# Altium PCB MANOPOLATORE_2040_ZERO.PcbDoc (part 1 of 2)
Units mil, origin at the board's own origin, x right, y up, seen from the top; angles counter-clockwise.
Board outline 5708.66 x 5708.66 mil, 2 copper layers (Top Layer, Bottom Layer), stack 65.792 mil thick; 147 components, 98 nets, 664 pads, 80 vias.
Unrouted connection lines stored in the file: 75.
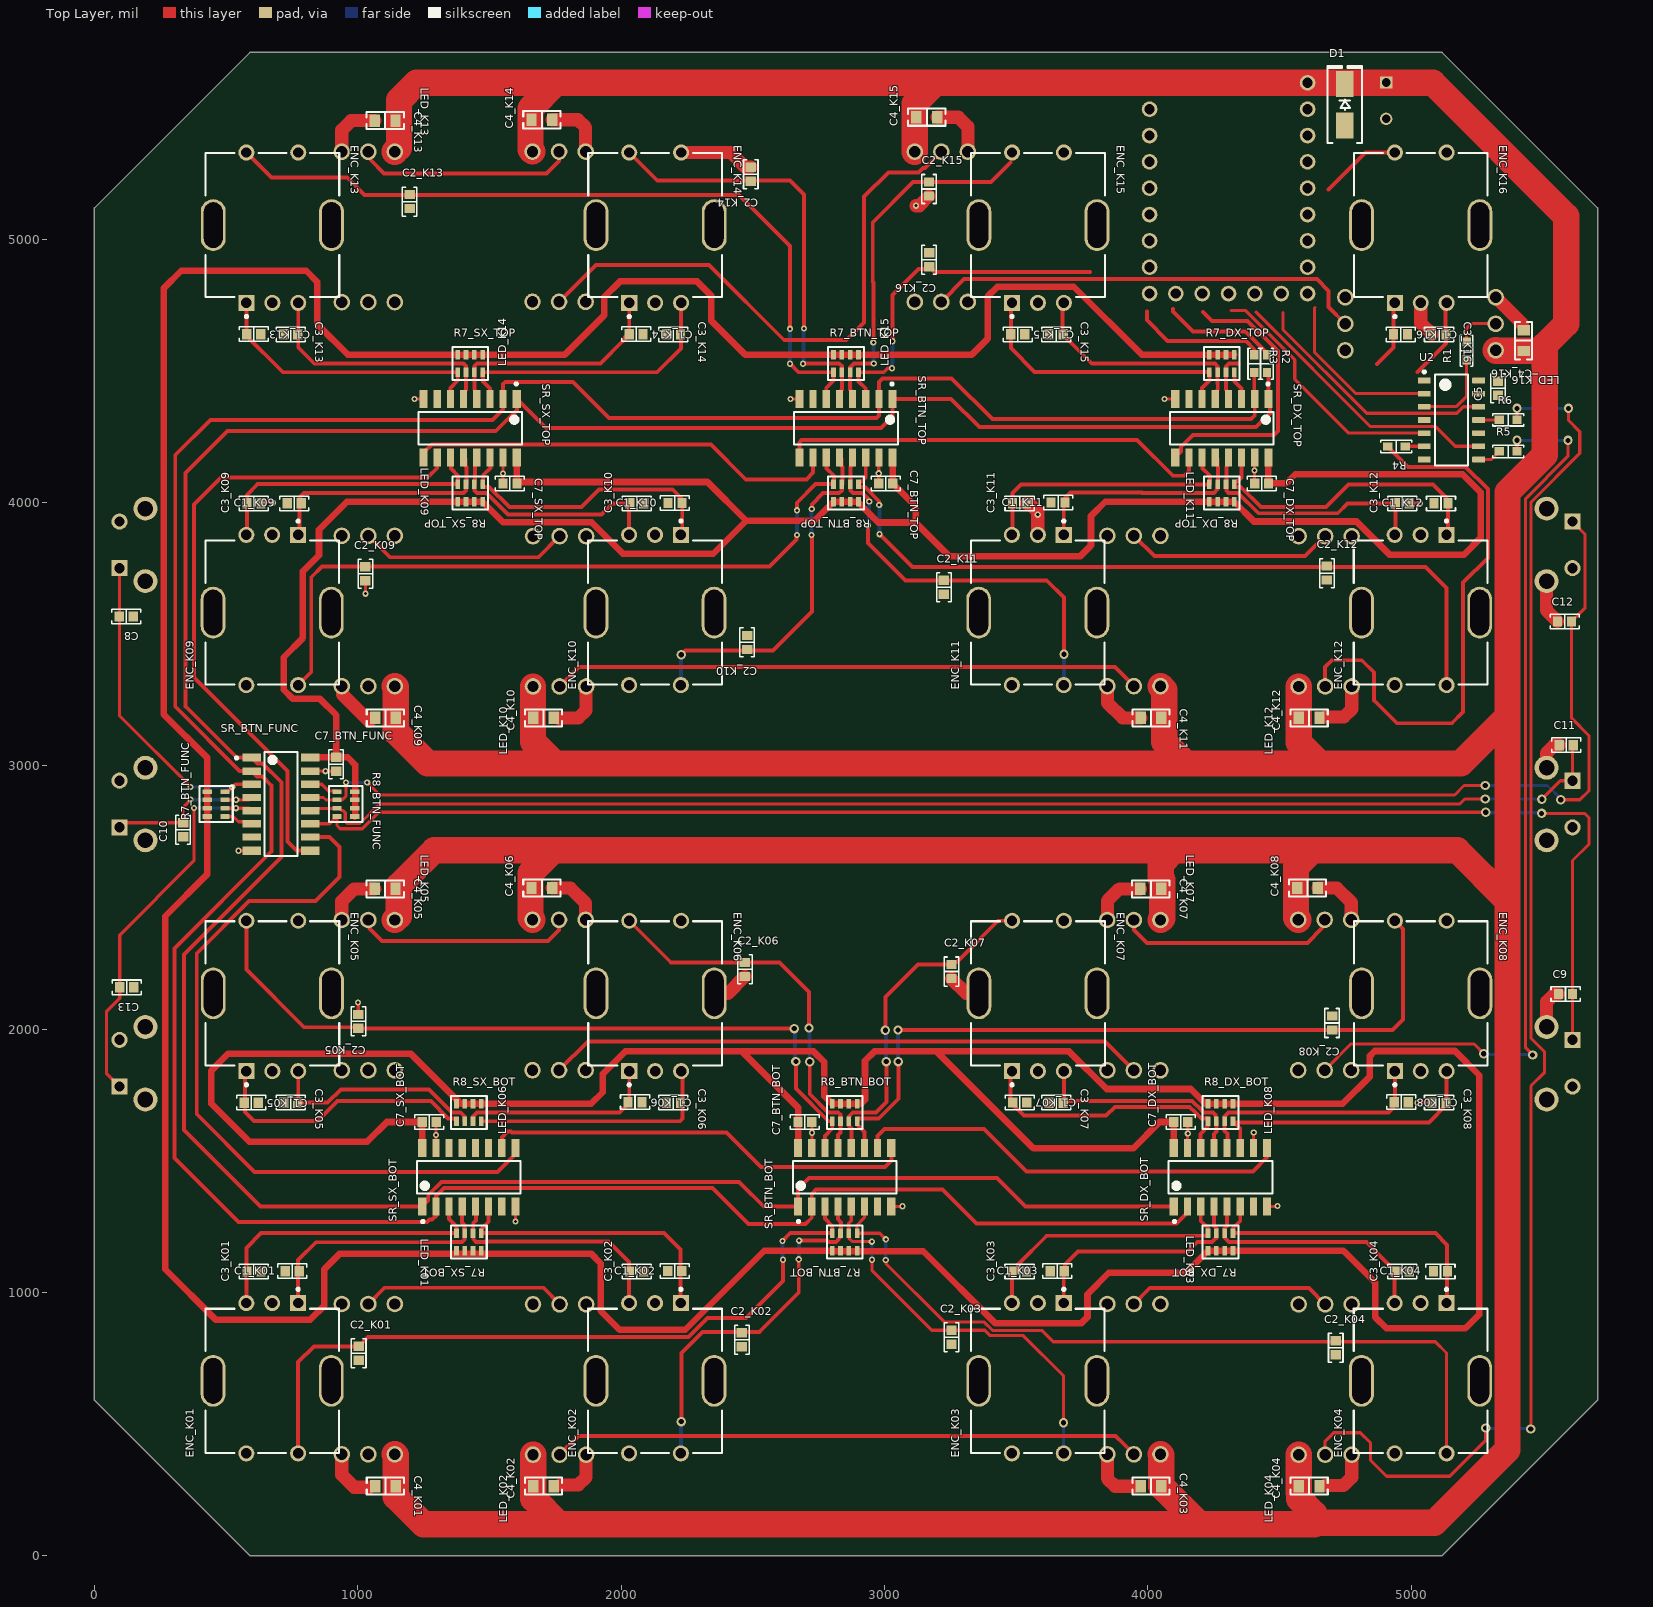
[diagram p0: Top Layer view]
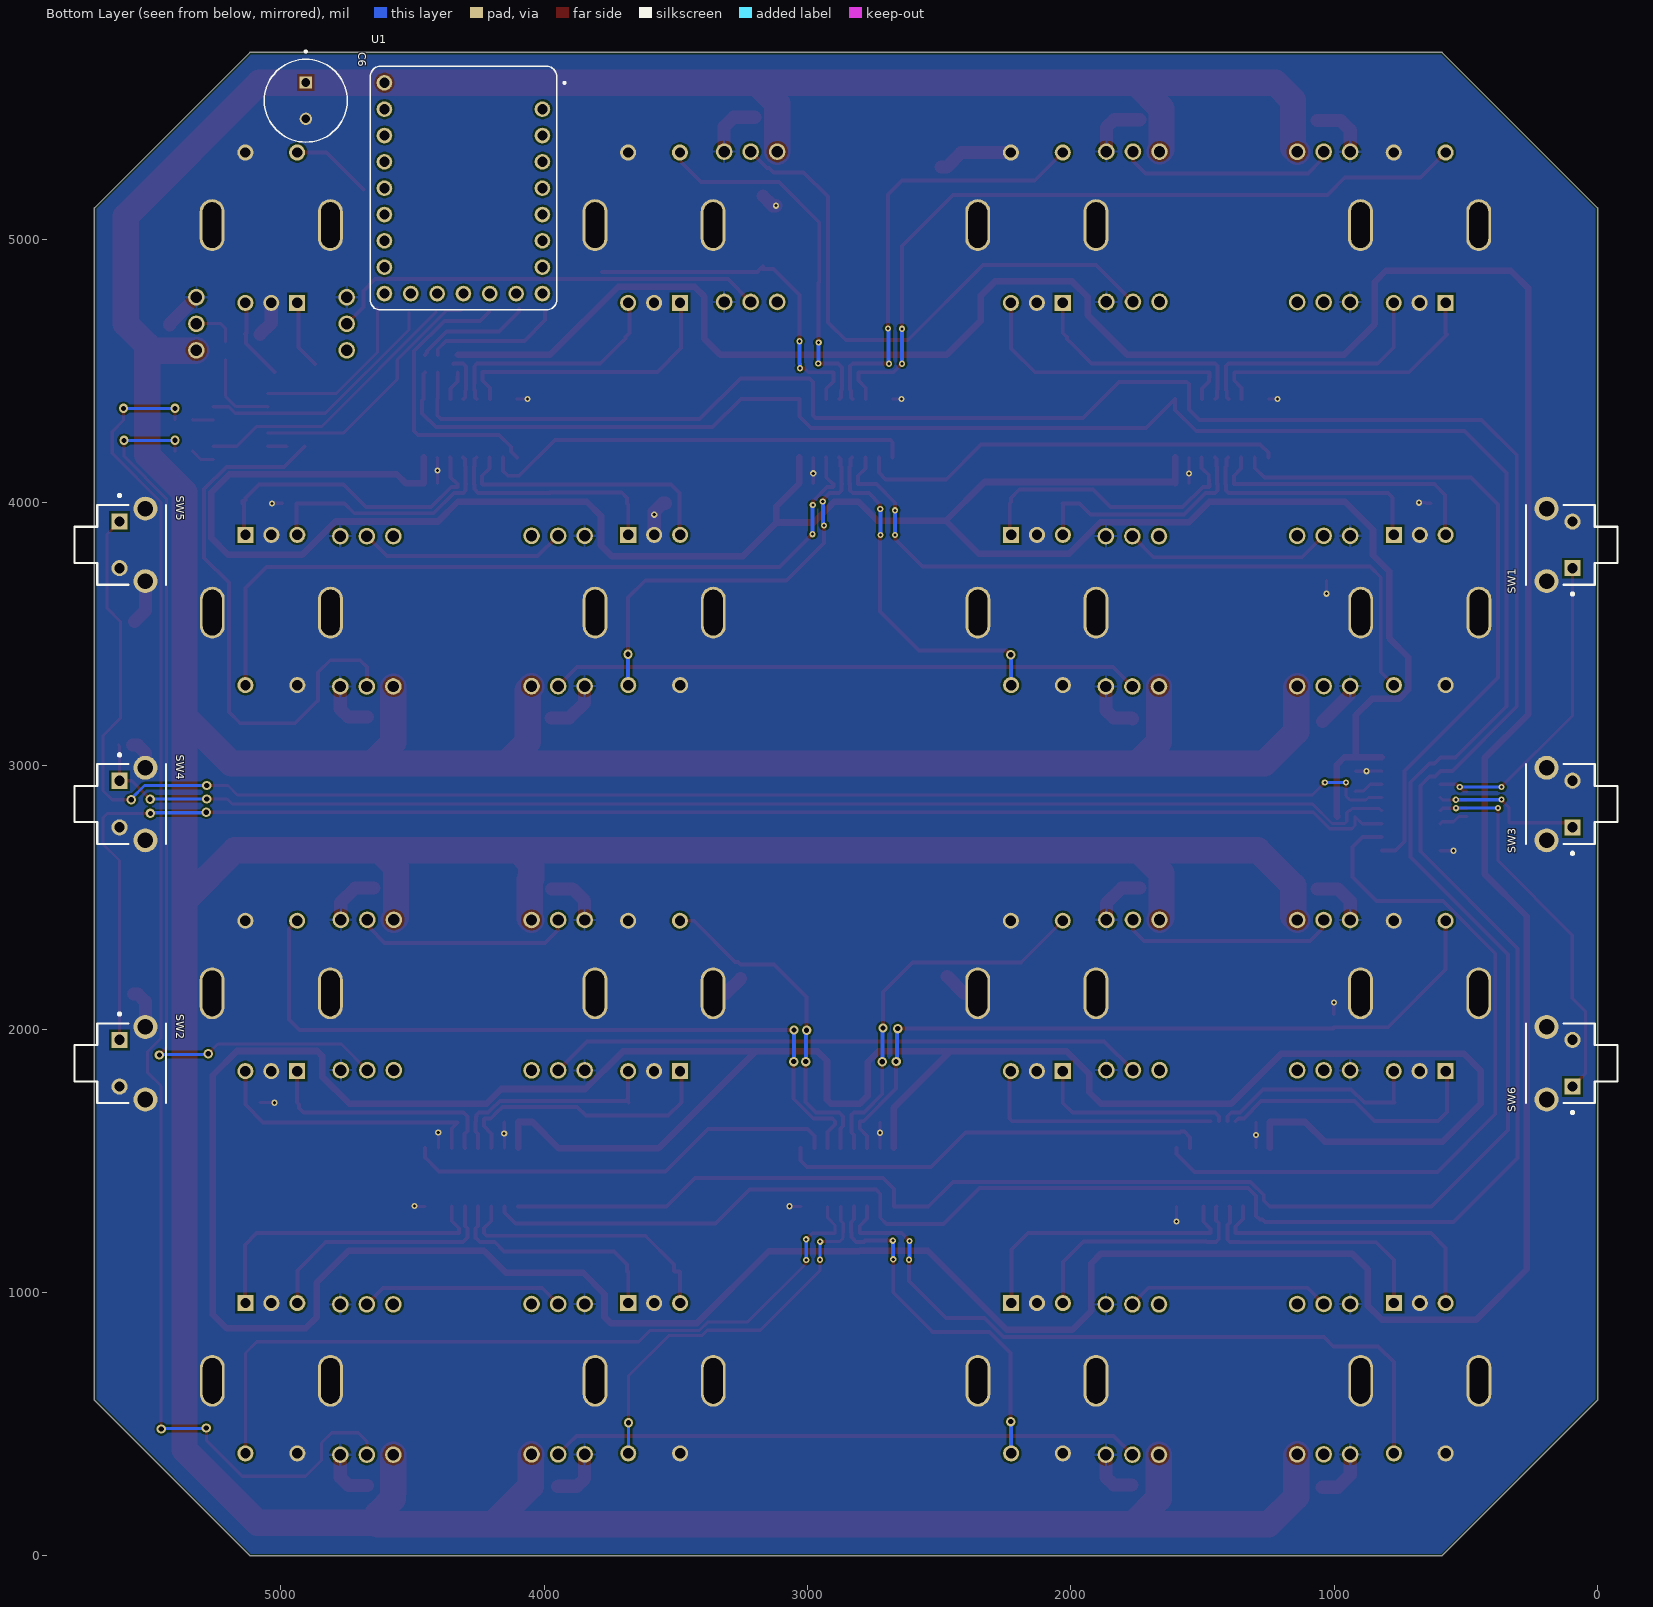
[diagram p1: Bottom Layer view, seen from below]
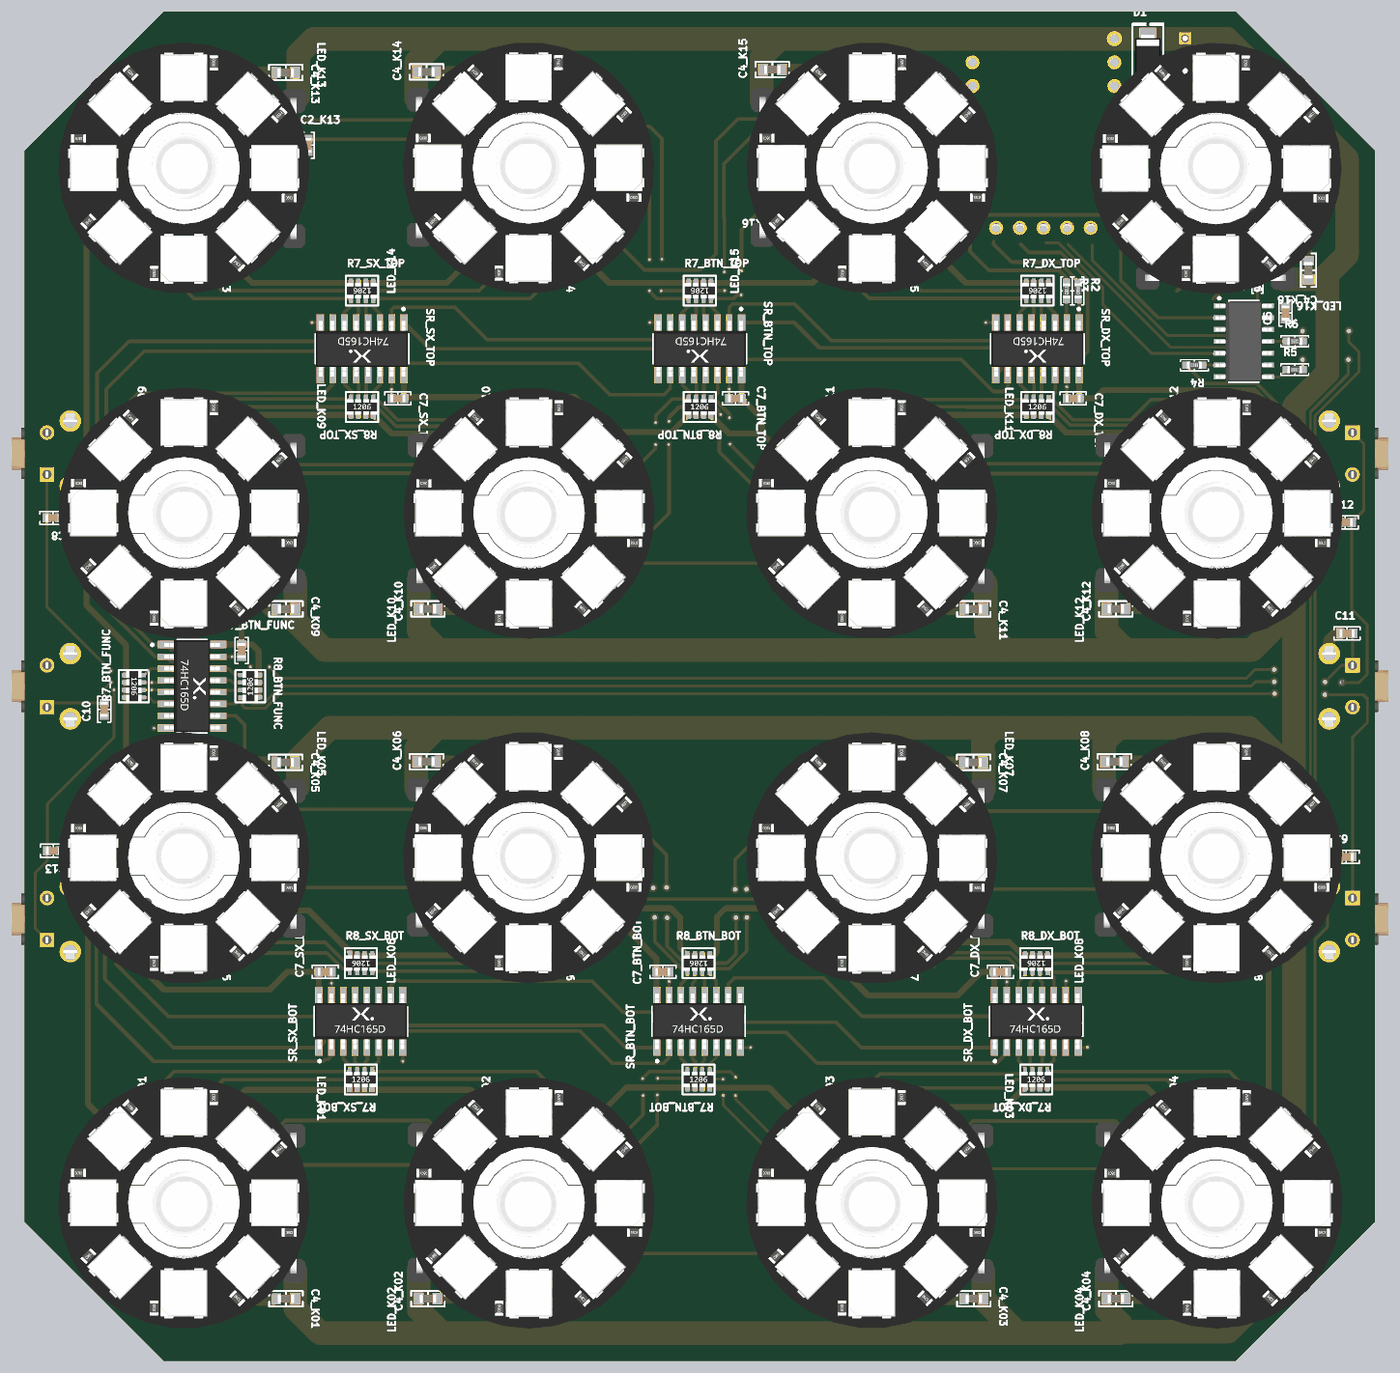
[diagram p3: 3D render of the assembled board from above, using the file's embedded part models]
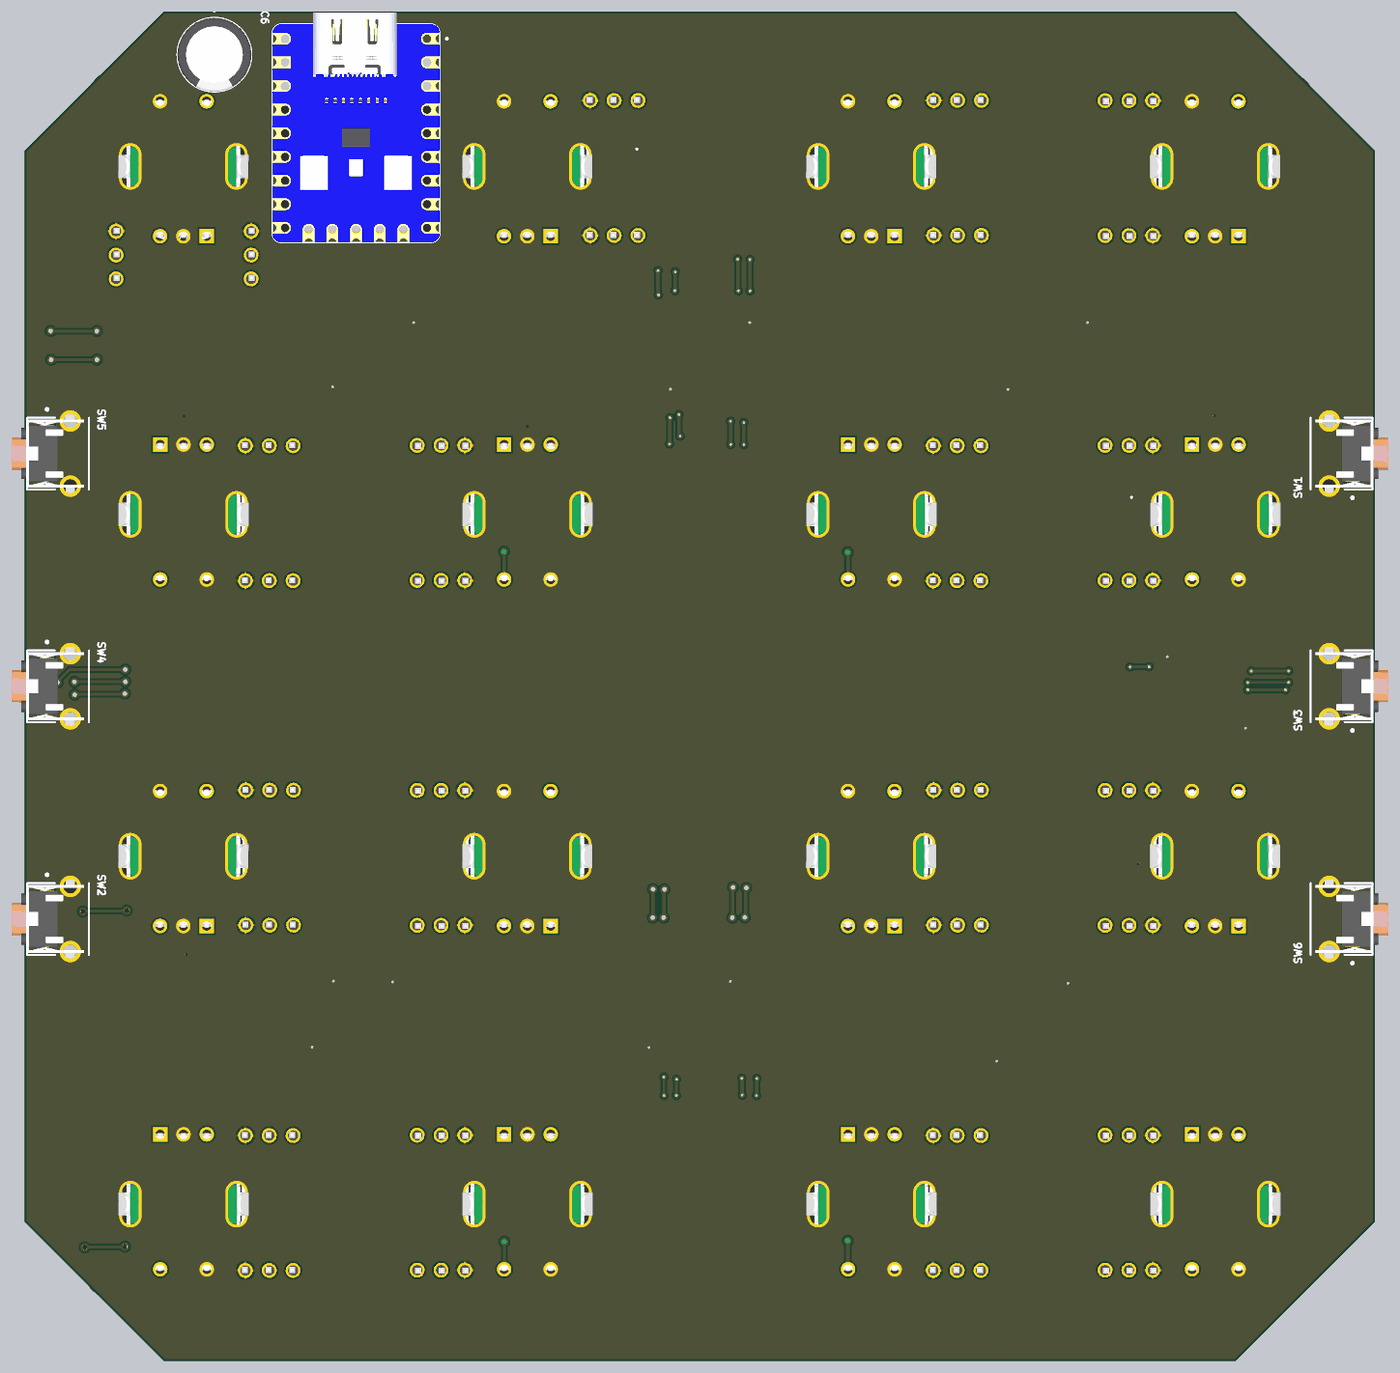
[diagram p4: 3D render of the assembled board from below, using the file's embedded part models]

## Layer stack, top to bottom
Top Solder: solder mask 0.4, Solder Resist, Dk 3.5
Top Layer: signal copper 1.4
Dielectric 1: dielectric 62.9921, FR-4, Dk 4.8
Bottom Layer: signal copper 1.4
Bottom Solder: solder mask 0.4, Solder Resist, Dk 3.5

## Board outline
590.55,0 5118.11,0 5708.66,590.55 5708.66,5118.11 5118.11,5708.66 590.55,5708.66 0,5118.11 0,590.55

## Design rules (kind name [scope] priority, off if disabled: settings)
AcuteAngle [All] p1: minimum=6.00000000000000E+0001 checktracksonly=TRUE
AssemblyTestPointUsage [(not InNetClass('NOTESTPOINTS'))] p1: allowmultiple=TRUE
AssemblyTestPointUsage AssemblyTestPointUsageN [InNetClass('NOTESTPOINTS')] p2: valid=2 allowmultiple=TRUE
AssemblyTestpoint [All] p1: testpointundercomponent=TRUE minsize=31.5 maxsize=78.74 preferedsize=39.37 minholesize=0 maxholesize=13.78 preferedholesize=0 testpointgrid=50 usegrid=FALSE gridoriginx=3444.88 gridoriginy=2460.63 gridtolerance=0.01 allowsidetop=TRUE minspacing=100 // Zollner
BoardOutlineClearance BoardCopperOutlineClearance [All] p1: gap=8 ignorepadtopadclearanceinfootprint=FALSE
Clearance PadToViaClearance [IsVia and not IsComponentVia vs IsPad and not IsTestpoint] p1: gap=1 ignorepadtopadclearanceinfootprint=TRUE
Clearance "Clearance (FAB)" [All] p2: gap=8 ignorepadtopadclearanceinfootprint=TRUE
ComponentClearance ComponentClearance_NetTie [((ObjectKind = 'Component') And (ComponentType = 'Net Tie')) Or (Footprint = 'StarPoint') Or (Footprint like 'NetTieVia*')] p1: gap=-150 collisioncheckmode=3 verticalgap=-150 showdistances=FALSE
ComponentClearance [All] p2: gap=10 collisioncheckmode=3 verticalgap=10 showdistances=FALSE
DiffPairsRouting [All] p1: maxlimit=50 minlimit=8 mostfreqgap=8 toplayer_minwidth=6 toplayer_maxwidth=100 toplayer_prefwidth=10 bottomlayer_minwidth=6 bottomlayer_maxwidth=100 bottomlayer_prefwidth=10 maxuncoupledlength=500
FabricationTestPointUsage [All] p1: valid=2 allowmultiple=FALSE
FabricationTestpoint [All] p1: side=3 testpointundercomponent=TRUE minsize=40 maxsize=100 preferedsize=60 minholesize=0 maxholesize=40 preferedholesize=32 testpointgrid=1 allowsidetop=TRUE allowsidebottom=TRUE usegrid=FALSE gridtolerance=0.01
HoleSize [All] p1: absolutevalues=TRUE maxlimit=250 minlimit=11.81 maxpercent=80.000 minpercent=20.000 // Zollner
HoleToHoleClearance HoleToHoleClearance_NetTieVia [InPadClass('NetTieVias') vs InPadClass('NetTieVias')] p1: gap=0 allowstackedmicrovias=TRUE
HoleToHoleClearance [All] p2: gap=9.84 allowstackedmicrovias=TRUE // Zollner
MinimumAnnularRing [All] p1: minimumring=5.91 // PCBWAY
MinimumSolderMaskSliver [All] p1: minsoldermaskwidth=7.87 // Zollner
PlaneClearance PlaneClearance_1 [All] p1: clearance=20
PlaneConnect [All] p1: planeconnectstyle=Direct reliefexpansion=20 reliefentries=4 reliefconductorwidth=10 reliefairgap=10
PolygonConnect [All] p1: connectstyle=Direct reliefconductorwidth=10 reliefentries=4 polygonreliefangle="90 Angle" airgapwidth=10
RoomDefinition SX_BOT [InComponentClass('SX_BOT')] p1: confinementstyle=ConfineIn formatcopy=TRUE lockcomponents=FALSE outline 1167.17,1827.17 1167.17,1077.17 1662.17,1077.17 1662.17,1827.17
RoomDefinition BTN_FUNC [InComponentClass('BTN_FUNC')] p2: confinementstyle=ConfineIn formatcopy=TRUE lockcomponents=FALSE outline 338.66,2609.33 1088.66,2609.33 1088.66,3104.33 338.66,3104.33
RoomDefinition SX_TOP [InComponentClass('SX_TOP')] p3: confinementstyle=ConfineIn formatcopy=TRUE lockcomponents=FALSE outline 1182.17,4651.5 1182.17,3901.5 1677.17,3901.5 1677.17,4651.5
RoomDefinition K14 [InComponentClass('K14')] p4: confinementstyle=ConfineIn formatcopy=TRUE lockcomponents=FALSE outline 1600.08,4512.95 2660.08,4512.95 2660.08,5577.95 1600.08,5577.95
RoomDefinition K10 [InComponentClass('K10')] p5: confinementstyle=ConfineIn formatcopy=TRUE lockcomponents=FALSE outline 1600.08,3054.25 2660.08,3054.25 2660.08,4119.25 1600.08,4119.25
RoomDefinition K06 [InComponentClass('K06')] p6: confinementstyle=ConfineIn formatcopy=TRUE lockcomponents=FALSE outline 1600.08,1595.55 2660.08,1595.55 2660.08,2660.55 1600.08,2660.55
RoomDefinition K02 [InComponentClass('K02')] p7: confinementstyle=ConfineIn formatcopy=TRUE lockcomponents=FALSE outline 1600.08,136.85 2660.08,136.85 2660.08,1201.85 1600.08,1201.85
RoomDefinition BTN_TOP [InComponentClass('BTN_TOP')] p8: confinementstyle=ConfineIn formatcopy=TRUE lockcomponents=FALSE outline 2609.33,4651.5 2609.33,3901.5 3104.33,3901.5 3104.33,4651.5
RoomDefinition BTN_BOT [InComponentClass('BTN_BOT')] p9: confinementstyle=ConfineIn formatcopy=TRUE lockcomponents=FALSE outline 3094.33,1067.17 3094.33,1817.17 2599.33,1817.17 2599.33,1067.17
RoomDefinition K07 [InComponentClass('K07')] p10: confinementstyle=ConfineIn formatcopy=TRUE lockcomponents=FALSE outline 3053.78,1595.55 4113.78,1595.55 4113.78,2660.55 3053.78,2660.55
RoomDefinition K11 [InComponentClass('K11')] p11: confinementstyle=ConfineIn formatcopy=TRUE lockcomponents=FALSE outline 3053.78,3054.25 4113.78,3054.25 4113.78,4119.25 3053.78,4119.25
RoomDefinition K03 [InComponentClass('K03')] p12: confinementstyle=ConfineIn formatcopy=TRUE lockcomponents=FALSE outline 3053.78,136.85 4113.78,136.85 4113.78,1201.85 3053.78,1201.85
RoomDefinition K15 [InComponentClass('K15')] p13: confinementstyle=ConfineIn formatcopy=TRUE lockcomponents=FALSE outline 3053.78,4512.95 4113.78,4512.95 4113.78,5577.95 3053.78,5577.95
RoomDefinition DX_BOT [InComponentClass('DX_BOT')] p14: confinementstyle=ConfineIn formatcopy=TRUE lockcomponents=FALSE outline 4521.5,1067.17 4521.5,1817.17 4026.5,1817.17 4026.5,1067.17
RoomDefinition DX_TOP [InComponentClass('DX_TOP')] p15: confinementstyle=ConfineIn formatcopy=TRUE lockcomponents=FALSE outline 4036.5,4651.5 4036.5,3901.5 4531.5,3901.5 4531.5,4651.5
RoomDefinition K13 [InComponentClass('K13')] p16: confinementstyle=ConfineIn formatcopy=TRUE lockcomponents=FALSE outline 146.38,4512.95 1206.38,4512.95 1206.38,5577.95 146.38,5577.95
RoomDefinition K16 [InComponentClass('K16')] p17: confinementstyle=ConfineIn formatcopy=TRUE lockcomponents=FALSE outline 4507.48,4512.95 5567.48,4512.95 5567.48,5577.95 4507.48,5577.95
RoomDefinition K01 [InComponentClass('K01')] p18: confinementstyle=ConfineIn formatcopy=TRUE lockcomponents=FALSE outline 146.38,136.85 1206.38,136.85 1206.38,1201.85 146.38,1201.85
RoomDefinition K12 [InComponentClass('K12')] p19: confinementstyle=ConfineIn formatcopy=TRUE lockcomponents=FALSE outline 4507.48,3054.25 5567.48,3054.25 5567.48,4119.25 4507.48,4119.25
RoomDefinition K08 [InComponentClass('K08')] p20: confinementstyle=ConfineIn formatcopy=TRUE lockcomponents=FALSE outline 4507.48,1595.55 5567.48,1595.55 5567.48,2660.55 4507.48,2660.55
RoomDefinition K05 [InComponentClass('K05')] p21: confinementstyle=ConfineIn formatcopy=TRUE lockcomponents=FALSE outline 146.38,1595.55 1206.38,1595.55 1206.38,2660.55 146.38,2660.55
RoomDefinition K04 [InComponentClass('K04')] p22: confinementstyle=ConfineIn formatcopy=TRUE lockcomponents=FALSE outline 4507.48,136.85 5567.48,136.85 5567.48,1201.85 4507.48,1201.85
RoomDefinition K09 [InComponentClass('K09')] p23: confinementstyle=ConfineIn formatcopy=TRUE lockcomponents=FALSE outline 146.38,3054.25 1206.38,3054.25 1206.38,4119.25 146.38,4119.25
RoutingVias [All] p1: holewidth=11.81 width=23.62 viastyle="Through Hole" minholewidth=7.87 minwidth=13.78 maxholewidth=50 maxwidth=50
SMDEntry [not IsTestpoint] p1: side=TRUE corner=TRUE anyangle=TRUE
SMDNeckDown [not IsTestpoint] p1: percent=90.000
SMDToCorner [All] p1: distance=10000
SMDToPlane [All] p1: distance=0
ShortCircuit [All vs not IsBoardCutoutRegion] p1: allowed=FALSE
SilkToSolderMaskClearance [IsPad] p1: minsilkscreentomaskgap=5 clearancetoexposedcopper=TRUE
SolderMaskExpansion SolderMaskExpansion_TentedVias [IsVia] p1: expansion=4 istentingtop=TRUE
SolderMaskExpansion [All] p2: expansion=1.97 istentingtop=FALSE // Zollner
SolderMaskExpansion SolderMaskExpansionToHoles [All] p3: expansion=3.94 istentingtop=FALSE soldermaskfromhole=TRUE // Zollner
SupplyNets "Schematic Supply Nets_4" [InNet('3V3')] p1: voltage=0.000
SupplyNets "Schematic Supply Nets_1" [InNet('5V')] p2: voltage=0.000
SupplyNets "Schematic Supply Nets" [InNet('GND')] p3: voltage=0.000
UnRoutedNet [All] p1: checkbadconnections=TRUE
Width [All] p1: maxlimit=500 minlimit=8 preferedwidth=10 minimp=50.000000 maximp=50.000000 favimp=50.000000
16 further rules are at their usual default settings.
